# Altium PCB Evaluation Board.PcbDoc (part 15 of 22) (continued)
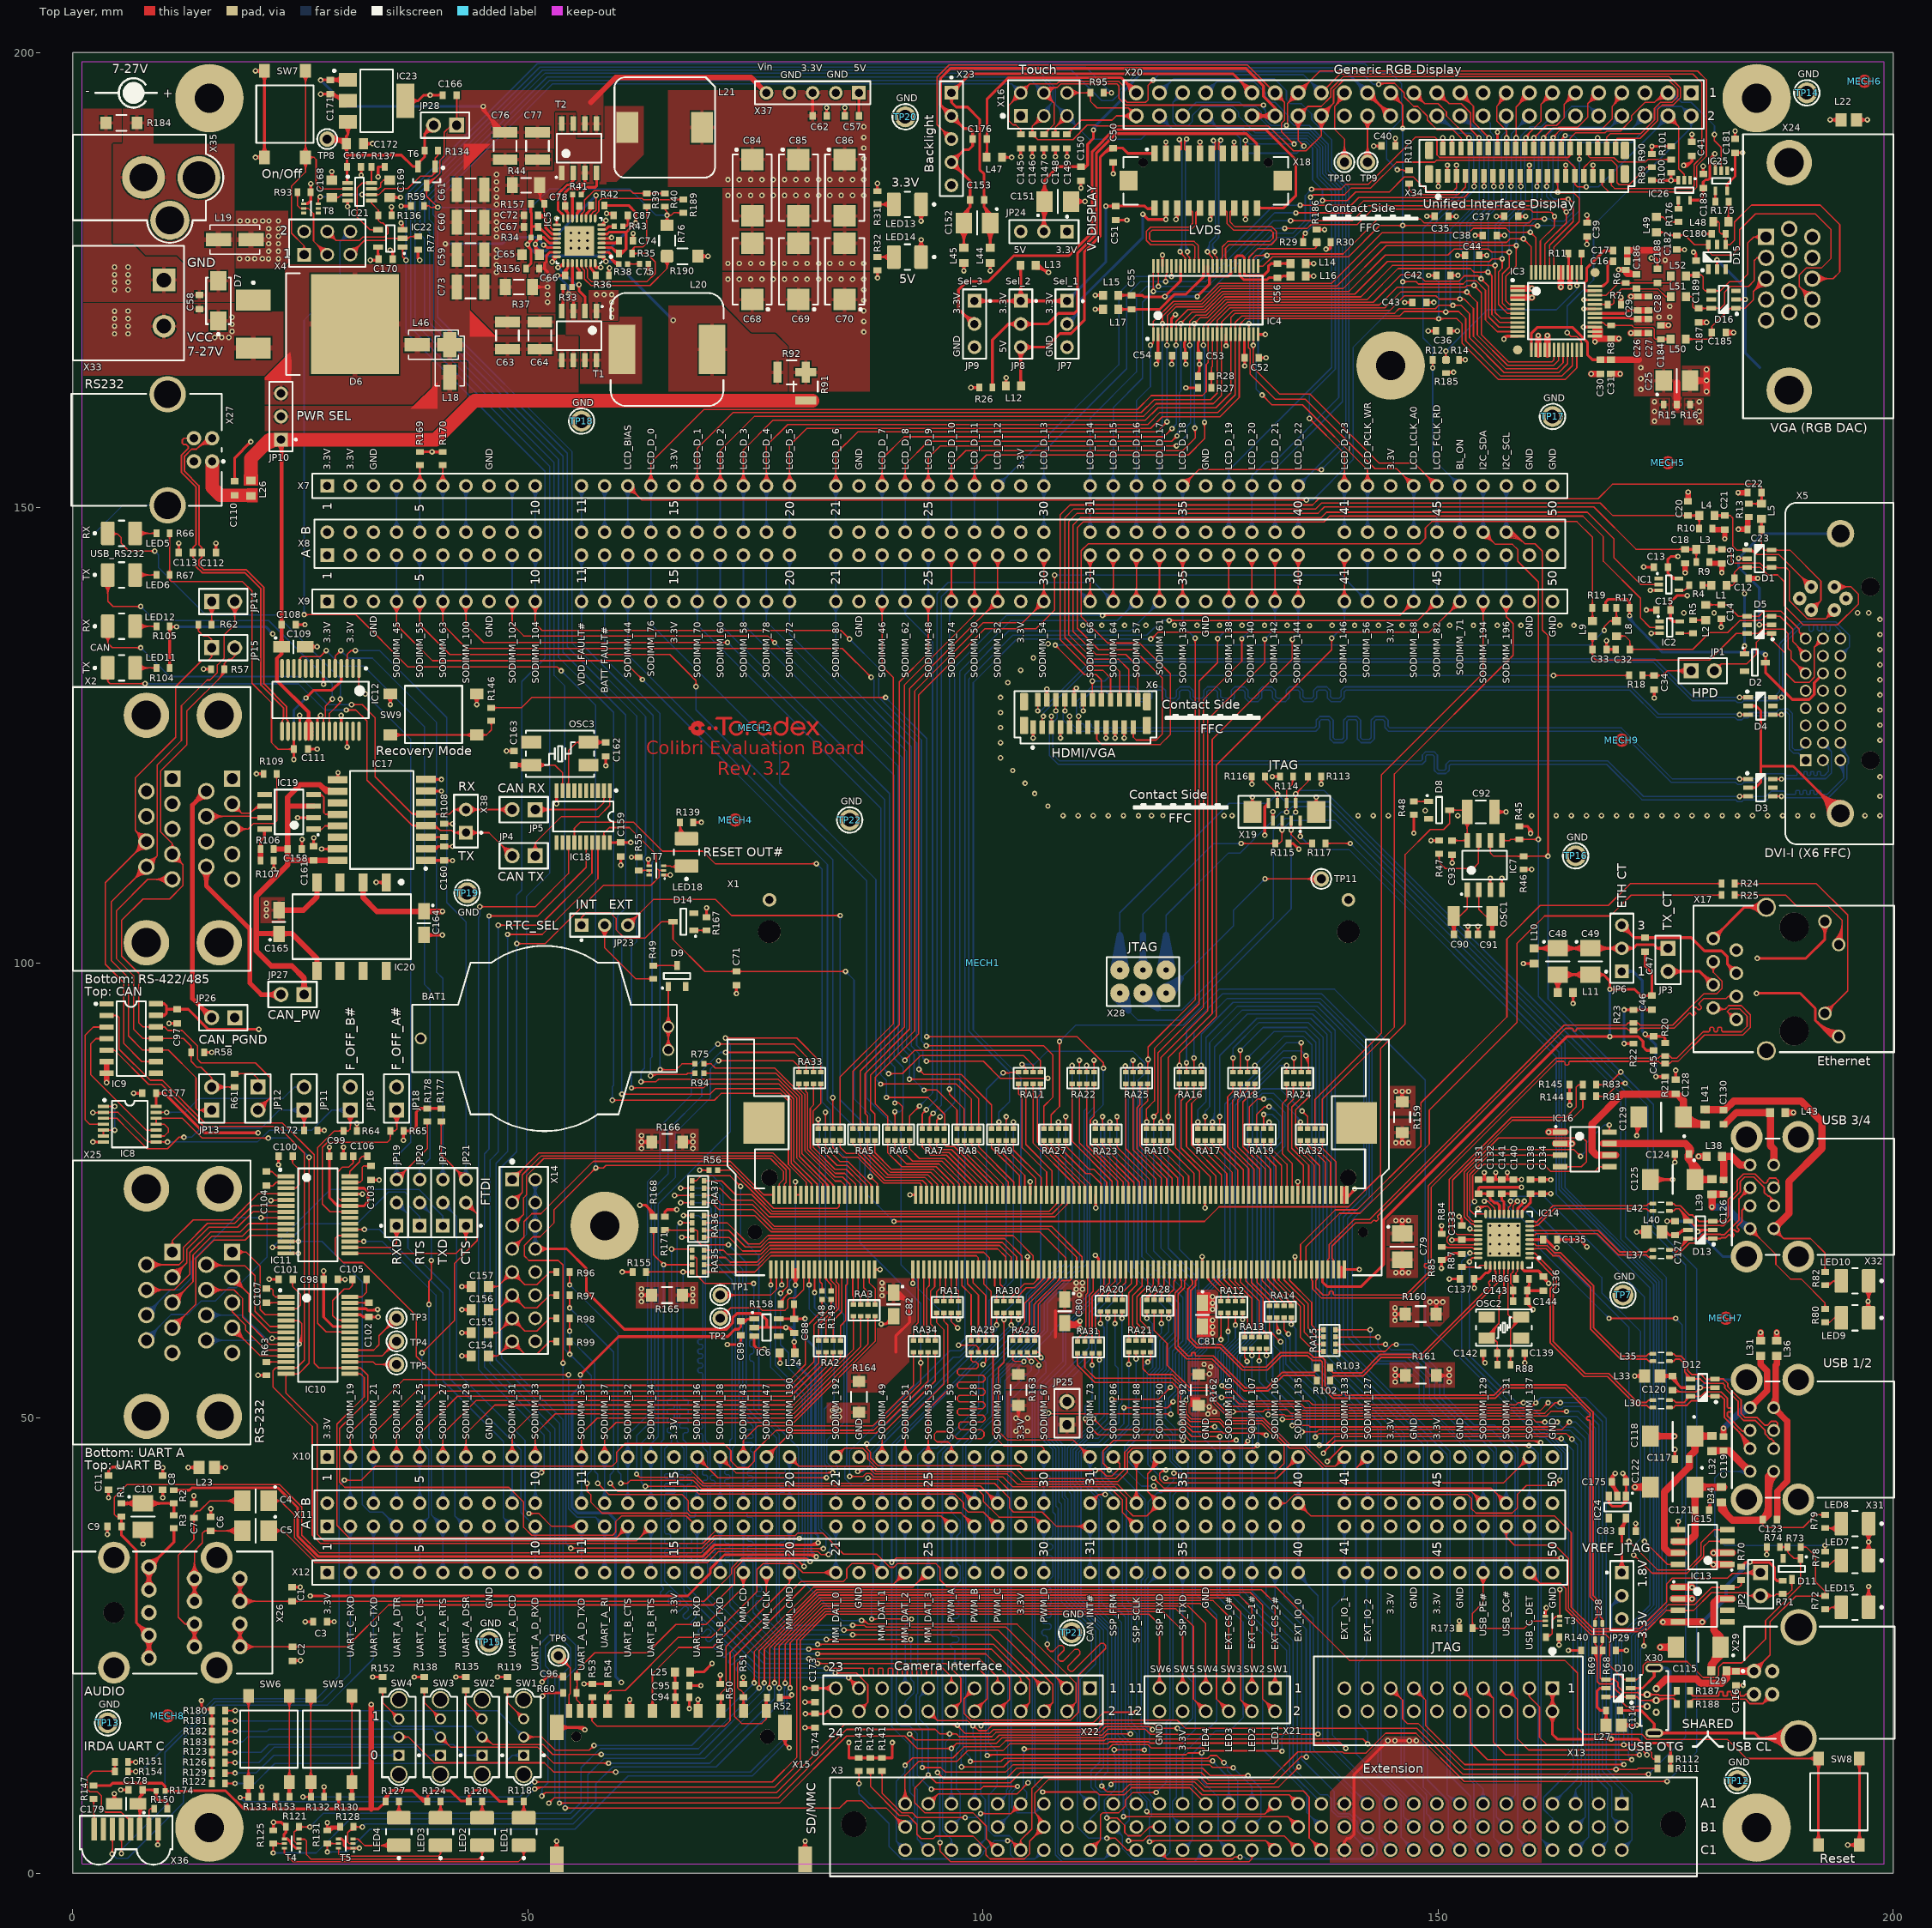
[diagram p0: Top Layer view]
## Nets (pads, with @x,y where several pads share a name; then routed paths per layer and width w, separated by ;. In a path a pad name is that pad's centre, name@x,y a point inside that pad or via, vN(x,y) a via of type N, cw(c..) or ccw(c..) an arc to the next point about the centre after c; other vN are vias at no path point) (continued)
SODIMM_28_S: RA33.1 X1.28 | length 15.7
  Top Layer w0.15: RA33.1@79.632,86.566 cw(c79.334,86.268) 79.756,86.268 cw(c80.178,86.268) RA33.1@79.88,86.566 ; RA33.1@79.756,86.69 79.756,86.213 80.413,85.556 80.413,79.368 83.749,76.032 84.369,76.032 84.782,75.619 X1.28@84.782,74.516 ; X1.28@84.711,75.412 ccw(c84.541,75.583) 84.782,75.583 ccw(c85.023,75.583) X1.28@84.853,75.412
SODIMM_29: RA2.5 X10.7 X11.B7 | length 71.4
  Top Layer w0.15: X10.7@42.703,46.197 ccw(c41.55,47.35) 43.18,47.35 ccw(c44.81,47.35) X10.7@43.657,46.197 ; X10.7@42.809,46.091 ccw(c41.913,46.987) 43.18,46.987 ccw(c44.447,46.987) X10.7@43.551,46.091 ; X10.7@42.915,45.985 ccw(c42.275,46.625) 43.18,46.625 ccw(c44.085,46.625) X10.7@43.445,45.985 ; X10.7@43.18,45.72 43.18,48.26 46.345,51.425 79.175,51.425 84.328,56.578 RA2.5@84.328,57.222 ; RA2.5@84.204,57.098 cw(c83.906,56.799) 84.328,56.799 cw(c84.75,56.799) RA2.5@84.452,57.098
  Bottom Layer w0.15: X11.B7@42.703,41.117 ccw(c41.55,42.27) 43.18,42.27 ccw(c44.81,42.27) X11.B7@43.657,41.117 ; X10.7@42.703,45.243 cw(c41.55,44.09) 43.18,44.09 cw(c44.81,44.09) X10.7@43.657,45.243 ; X11.B7@42.809,41.011 ccw(c41.913,41.907) 43.18,41.907 ccw(c44.447,41.907) X11.B7@43.551,41.011 ; X10.7@42.809,45.349 cw(c41.913,44.453) 43.18,44.453 cw(c44.447,44.453) X10.7@43.551,45.349 ; X11.B7@42.915,40.905 ccw(c42.275,41.545) 43.18,41.545 ccw(c44.085,41.545) X11.B7@43.445,40.905 ; X10.7@42.915,45.455 cw(c42.275,44.815) 43.18,44.815 cw(c44.085,44.815) X10.7@43.445,45.455 ; X11.B7@43.18,40.64 X10.7@43.18,45.72
SODIMM_29_S: RA2.1 X1.29 | length 9.2
  Top Layer w0.15: RA2.1@84.204,58.645 ccw(c83.906,58.944) 84.328,58.944 ccw(c84.75,58.944) RA2.1@84.452,58.645 ; RA2.1@84.328,58.522 84.328,60.122 84.912,60.706 84.912,64.541 85.082,64.711 X1.29@85.082,66.316 ; X1.29@85.011,65.421 cw(c84.841,65.25) 85.082,65.25 cw(c85.323,65.25) X1.29@85.153,65.421
SODIMM_30: RA33.6 X10.28 X11.B28 | length 128.9
  Top Layer w0.15: v1(61.925,43.84) 62.266,43.5 ; v1@61.945,43.616 cw(c61.981,43.215) 62.266,43.5 ; v1@62.149,43.82 ccw(c62.55,43.785) 62.266,43.5 ; v1(71.704,90.17) 79.273,90.17 80.556,88.887 RA33.6@80.556,87.99 ; v1@71.863,90.011 cw(c72.247,89.627) 72.247,90.17 cw(c72.247,90.713) v1@71.863,90.329 ; RA33.6@80.432,88.114 ccw(c80.134,88.413) 80.556,88.413 ccw(c80.978,88.413) RA33.6@80.68,88.114 ; X11.B28@100.925,40.64 ccw(c99.295,40.64) 100.448,41.792 ccw(c101.6,42.945) X11.B28@101.6,41.315 ; X11.B28@101.075,40.64 ccw(c99.808,40.64) 100.704,41.536 ccw(c101.6,42.432) X11.B28@101.6,41.165 ; X11.B28@101.225,40.64 ccw(c100.32,40.64) 100.96,41.28 ccw(c101.6,41.92) X11.B28@101.6,41.015 ; X11.B28@101.6,40.64 99.707,42.533 69.19,42.533 68.223,43.5 62.266,43.5
  Bottom Layer w0.15: v1@61.766,43.999 ccw(c61.358,44.407) 61.935,44.407 ; v1(61.925,43.84) 61.935,43.849 61.935,48.05 63.551,49.666 63.551,74.981 65.405,76.835 65.405,81.661 69.096,85.352 69.096,88.151 71.114,90.17 v1(71.704,90.17) ; 61.935,44.36 ccw(c62.445,44.36) v1@62.084,43.999 ; v1@71.545,90.011 ccw(c71.161,89.627) 71.161,90.17 ccw(c71.161,90.713) v1@71.545,90.329 ; X11.B28@101.123,41.117 ccw(c99.97,42.27) 101.6,42.27 ccw(c103.23,42.27) X11.B28@102.077,41.117 ; X10.28@101.123,45.243 cw(c99.97,44.09) 101.6,44.09 cw(c103.23,44.09) X10.28@102.077,45.243 ; X11.B28@101.229,41.011 ccw(c100.333,41.907) 101.6,41.907 ccw(c102.867,41.907) X11.B28@101.971,41.011 ; X10.28@101.229,45.349 cw(c100.333,44.453) 101.6,44.453 cw(c102.867,44.453) X10.28@101.971,45.349 ; X11.B28@101.335,40.905 ccw(c100.695,41.545) 101.6,41.545 ccw(c102.505,41.545) X11.B28@101.865,40.905 ; X10.28@101.335,45.455 cw(c100.695,44.815) 101.6,44.815 cw(c102.505,44.815) X10.28@101.865,45.455 ; X11.B28@101.6,40.64 X10.28@101.6,45.72
SODIMM_30_S: RA33.2 X1.30 | length 15.7
  Top Layer w0.15: RA33.2@80.432,86.566 cw(c80.176,86.31) 80.539,86.31 ; 80.539,86.226 cw(c81.02,86.226) RA33.2@80.68,86.566 ; RA33.2@80.556,86.69 80.539,86.673 80.539,85.855 80.713,85.68 80.713,79.492 83.73,76.475 84.586,76.475 85.382,75.679 X1.30@85.382,74.516 ; X1.30@85.311,75.412 ccw(c85.141,75.583) 85.382,75.583 ccw(c85.623,75.583) X1.30@85.453,75.412
SODIMM_31: RA3.8 X10.9 X11.B9 | length 71.2
  Top Layer w0.15: X10.9@47.783,46.197 ccw(c46.63,47.35) 48.26,47.35 ccw(c49.89,47.35) X10.9@48.737,46.197 ; X10.9@47.889,46.091 ccw(c46.993,46.987) 48.26,46.987 ccw(c49.527,46.987) X10.9@48.631,46.091 ; X10.9@47.995,45.985 ccw(c47.355,46.625) 48.26,46.625 ccw(c49.165,46.625) X10.9@48.525,45.985 ; X10.9@48.26,45.72 48.26,48.26 50.95,50.95 79.175,50.95 85.738,57.513 RA3.8@85.738,61.184 ; RA3.8@85.614,61.06 cw(c85.316,60.761) 85.738,60.761 cw(c86.16,60.761) RA3.8@85.862,61.06
  Bottom Layer w0.15: X11.B9@47.783,41.117 ccw(c46.63,42.27) 48.26,42.27 ccw(c49.89,42.27) X11.B9@48.737,41.117 ; X10.9@47.783,45.243 cw(c46.63,44.09) 48.26,44.09 cw(c49.89,44.09) X10.9@48.737,45.243 ; X11.B9@47.889,41.011 ccw(c46.993,41.907) 48.26,41.907 ccw(c49.527,41.907) X11.B9@48.631,41.011 ; X10.9@47.889,45.349 cw(c46.993,44.453) 48.26,44.453 cw(c49.527,44.453) X10.9@48.631,45.349 ; X11.B9@47.995,40.905 ccw(c47.355,41.545) 48.26,41.545 ccw(c49.165,41.545) X11.B9@48.525,40.905 ; X10.9@47.995,45.455 cw(c47.355,44.815) 48.26,44.815 cw(c49.165,44.815) X10.9@48.525,45.455 ; X11.B9@48.26,40.64 X10.9@48.26,45.72
SODIMM_31_S: RA3.4 X1.31 | length 4.9
  Top Layer w0.15: X1.31@85.611,65.421 cw(c85.441,65.25) 85.682,65.25 cw(c85.923,65.25) X1.31@85.753,65.421 ; RA3.4@85.614,62.608 ccw(c85.316,62.906) 85.738,62.906 ccw(c86.16,62.906) RA3.4@85.862,62.608 ; X1.31@85.682,66.316 85.682,63.441 85.738,63.385 RA3.4@85.738,62.484
SODIMM_32: RA33.7 X10.13 X11.B13 | length 87.2
  Top Layer w0.15: v1(70.866,91.084) 79.223,91.084 81.356,88.951 RA33.7@81.356,87.99 ; v1@71.025,90.925 cw(c71.409,90.541) 71.409,91.084 cw(c71.409,91.628) v1@71.025,91.243 ; RA33.7@81.232,88.114 ccw(c80.934,88.413) 81.356,88.413 ccw(c81.778,88.413) RA33.7@81.48,88.114
  Bottom Layer w0.15: X11.B13@60.483,41.117 ccw(c59.33,42.27) 60.96,42.27 ccw(c62.59,42.27) X11.B13@61.437,41.117 ; X10.13@60.483,45.243 cw(c59.33,44.09) 60.96,44.09 cw(c62.59,44.09) X10.13@61.437,45.243 ; X10.13@60.483,46.197 ccw(c59.33,47.35) 60.96,47.35 ccw(c62.59,47.35) X10.13@61.437,46.197 ; X11.B13@60.589,41.011 ccw(c59.693,41.907) 60.96,41.907 ccw(c62.227,41.907) X11.B13@61.331,41.011 ; X10.13@60.589,45.349 cw(c59.693,44.453) 60.96,44.453 cw(c62.227,44.453) X10.13@61.331,45.349 ; X10.13@60.589,46.091 ccw(c59.693,46.987) 60.96,46.987 ccw(c62.227,46.987) X10.13@61.331,46.091 ; X11.B13@60.695,40.905 ccw(c60.055,41.545) 60.96,41.545 ccw(c61.865,41.545) X11.B13@61.225,40.905 ; X10.13@60.695,45.455 cw(c60.055,44.815) 60.96,44.815 cw(c61.865,44.815) X10.13@61.225,45.455 ; X10.13@60.695,45.985 ccw(c60.055,46.625) 60.96,46.625 ccw(c61.865,46.625) X10.13@61.225,45.985 ; X11.B13@60.96,40.64 X10.13@60.96,45.72 60.96,48.135 63.144,50.319 63.144,75.971 64.516,77.343 64.516,82.042 67.92,85.446 67.92,88.138 v1(70.866,91.084) ; v1@70.641,91.084 cw(c70.098,91.084) 70.482,90.7 cw(c70.866,90.316) v1@70.866,90.859
SODIMM_32_S: RA33.3 X1.32 | length 16
  Top Layer w0.15: RA33.3@81.232,86.566 cw(c80.934,86.268) 81.356,86.268 cw(c81.778,86.268) RA33.3@81.48,86.566 ; RA33.3@81.356,86.69 81.356,84.379 81.013,84.036 81.013,79.617 83.755,76.875 84.796,76.875 85.982,75.689 X1.32@85.982,74.516 ; X1.32@85.911,75.412 ccw(c85.741,75.583) 85.982,75.583 ccw(c86.223,75.583) X1.32@86.053,75.412
SODIMM_33: RA3.7 X10.10 X11.B10 | length 69.3
  Top Layer w0.15: X10.10@50.323,46.197 ccw(c49.17,47.35) 50.8,47.35 ccw(c52.43,47.35) X10.10@51.277,46.197 ; X10.10@50.429,46.091 ccw(c49.533,46.987) 50.8,46.987 ccw(c52.067,46.987) X10.10@51.171,46.091 ; X10.10@50.535,45.985 ccw(c49.895,46.625) 50.8,46.625 ccw(c51.705,46.625) X10.10@51.065,45.985 ; X10.10@50.8,45.72 50.8,48.26 52.99,50.45 79.175,50.45 86.538,57.813 RA3.7@86.538,61.184 ; RA3.7@86.414,61.06 cw(c86.116,60.761) 86.538,60.761 cw(c86.96,60.761) RA3.7@86.662,61.06
  Bottom Layer w0.15: X11.B10@50.323,41.117 ccw(c49.17,42.27) 50.8,42.27 ccw(c52.43,42.27) X11.B10@51.277,41.117 ; X10.10@50.323,45.243 cw(c49.17,44.09) 50.8,44.09 cw(c52.43,44.09) X10.10@51.277,45.243 ; X11.B10@50.429,41.011 ccw(c49.533,41.907) 50.8,41.907 ccw(c52.067,41.907) X11.B10@51.171,41.011 ; X10.10@50.429,45.349 cw(c49.533,44.453) 50.8,44.453 cw(c52.067,44.453) X10.10@51.171,45.349 ; X11.B10@50.535,40.905 ccw(c49.895,41.545) 50.8,41.545 ccw(c51.705,41.545) X11.B10@51.065,40.905 ; X10.10@50.535,45.455 cw(c49.895,44.815) 50.8,44.815 cw(c51.705,44.815) X10.10@51.065,45.455 ; X11.B10@50.8,40.64 X10.10@50.8,45.72
SODIMM_33_S: RA3.3 X1.33 | length 5
  Top Layer w0.15: X1.33@86.211,65.421 cw(c86.041,65.25) 86.282,65.25 cw(c86.523,65.25) X1.33@86.353,65.421 ; X1.33@86.282,66.316 86.282,63.73 86.512,63.5 86.512,62.51 RA3.3@86.538,62.484 ; RA3.3@86.364,62.608 ccw(c86.007,62.965) 86.512,62.965 ; 86.512,62.848 ccw(c86.852,62.848) RA3.3@86.612,62.608
SODIMM_34: RA33.8 X10.14 X11.B14 | length 87.1
  Top Layer w0.15: v1(71.679,91.745) 79.527,91.745 82.156,89.116 RA33.8@82.156,87.99 ; v1@71.838,91.586 cw(c72.222,91.202) 72.222,91.745 cw(c72.222,92.288) v1@71.838,91.904 ; RA33.8@82.032,88.114 ccw(c81.734,88.413) 82.156,88.413 ccw(c82.578,88.413) RA33.8@82.28,88.114
  Bottom Layer w0.15: X11.B14@63.023,41.117 ccw(c61.87,42.27) 63.5,42.27 ccw(c65.13,42.27) X11.B14@63.977,41.117 ; X10.14@63.023,45.243 cw(c61.87,44.09) 63.5,44.09 cw(c65.13,44.09) X10.14@63.977,45.243 ; X10.14@63.07,46.241 ccw(c62.318,47.152) 63.5,47.152 ; X11.B14@63.129,41.011 ccw(c62.233,41.907) 63.5,41.907 ccw(c64.767,41.907) X11.B14@63.871,41.011 ; X10.14@63.129,45.349 cw(c62.233,44.453) 63.5,44.453 cw(c64.767,44.453) X10.14@63.871,45.349 ; X10.14@63.166,46.125 ccw(c62.581,46.834) 63.5,46.834 ccw(c64.419,46.834) X10.14@63.834,46.125 ; X11.B14@63.235,40.905 ccw(c62.595,41.545) 63.5,41.545 ccw(c64.405,41.545) X11.B14@63.765,40.905 ; X10.14@63.235,45.455 cw(c62.595,44.815) 63.5,44.815 cw(c64.405,44.815) X10.14@63.765,45.455 ; X10.14@63.261,46.009 ccw(c62.843,46.516) 63.5,46.516 ccw(c64.157,46.516) X10.14@63.739,46.009 ; X11.B14@63.5,40.64 X10.14@63.5,45.72 63.5,47.152 ; X10.14@63.93,46.241 cw(c64.682,47.152) 63.5,47.152 ; v1@71.679,91.52 cw(c71.679,91.161) 71.933,91.415 ; v1(71.679,91.745) 71.679,91.669 72.229,91.118 72.229,81.447 64.313,73.53 64.313,47.965 63.5,47.152 ; v1@71.754,91.745 ccw(c72.119,91.745) 71.861,91.487 ; v1@71.904,91.745 ccw(c72.631,91.745) 72.117,91.231
SODIMM_34_S: RA33.4 X1.34 | length 16.5
  Top Layer w0.15: RA33.4@82.032,86.566 cw(c81.734,86.268) 82.156,86.268 cw(c82.578,86.268) RA33.4@82.28,86.566 ; RA33.4@82.156,86.69 82.156,84.544 81.313,83.701 81.313,79.748 83.736,77.325 84.956,77.325 86.582,75.699 X1.34@86.582,74.516 ; X1.34@86.511,75.412 ccw(c86.341,75.583) 86.582,75.583 ccw(c86.823,75.583) X1.34@86.653,75.412
SODIMM_35: RA3.6 X10.11 X11.B11 | length 64.8
  Top Layer w0.15: X10.11@55.403,46.197 ccw(c54.25,47.35) 55.88,47.35 ccw(c57.51,47.35) X10.11@56.357,46.197 ; X10.11@55.509,46.091 ccw(c54.613,46.987) 55.88,46.987 ccw(c57.147,46.987) X10.11@56.251,46.091 ; X10.11@55.615,45.985 ccw(c54.975,46.625) 55.88,46.625 ccw(c56.785,46.625) X10.11@56.145,45.985 ; X10.11@55.88,45.72 55.88,48.26 57.62,50 79.25,50 87.338,58.088 RA3.6@87.338,61.184 ; RA3.6@87.214,61.06 cw(c86.916,60.761) 87.338,60.761 cw(c87.76,60.761) RA3.6@87.462,61.06
  Bottom Layer w0.15: X11.B11@55.403,41.117 ccw(c54.25,42.27) 55.88,42.27 ccw(c57.51,42.27) X11.B11@56.357,41.117 ; X10.11@55.403,45.243 cw(c54.25,44.09) 55.88,44.09 cw(c57.51,44.09) X10.11@56.357,45.243 ; X11.B11@55.509,41.011 ccw(c54.613,41.907) 55.88,41.907 ccw(c57.147,41.907) X11.B11@56.251,41.011 ; X10.11@55.509,45.349 cw(c54.613,44.453) 55.88,44.453 cw(c57.147,44.453) X10.11@56.251,45.349 ; X11.B11@55.615,40.905 ccw(c54.975,41.545) 55.88,41.545 ccw(c56.785,41.545) X11.B11@56.145,40.905 ; X10.11@55.615,45.455 cw(c54.975,44.815) 55.88,44.815 cw(c56.785,44.815) X10.11@56.145,45.455 ; X11.B11@55.88,40.64 X10.11@55.88,45.72
SODIMM_35_S: RA3.2 X1.35 | length 5.1
  Top Layer w0.15: X1.35@86.811,65.421 cw(c86.641,65.25) 86.882,65.25 cw(c87.123,65.25) X1.35@86.953,65.421 ; X1.35@86.882,66.316 86.882,64.324 87.338,63.868 RA3.2@87.338,62.484 ; RA3.2@87.214,62.608 ccw(c86.916,62.906) 87.338,62.906 ccw(c87.76,62.906) RA3.2@87.462,62.608
SODIMM_36: RA4.5 X10.16 X11.B16 | length 84.6
  Top Layer w0.15: X10.16@68.58,45.045 cw(c68.58,43.415) 69.732,44.568 cw(c70.885,45.72) X10.16@69.255,45.72 ; X10.16@68.58,45.195 cw(c68.58,43.928) 69.476,44.824 cw(c70.372,45.72) X10.16@69.105,45.72 ; X10.16@68.58,45.345 cw(c68.58,44.44) 69.22,45.08 cw(c69.86,45.72) X10.16@68.955,45.72 ; X10.16@68.58,45.72 70.85,43.45 v1(82.8,43.45) ; v1@81.731,82.645 cw(c81.346,82.261) 81.89,82.261 cw(c82.433,82.261) v1@82.049,82.645 ; RA4.5@81.766,81.916 ccw(c81.468,82.214) 81.89,82.214 ; RA4.5@81.788,81.793 81.89,81.894 v1(81.89,82.804) ; 81.89,82.216 ccw(c82.313,82.216) RA4.5@82.014,81.916 ; v1@82.641,43.291 ccw(c82.257,42.907) 82.257,43.45 ccw(c82.257,43.993) v1@82.641,43.609
  Bottom Layer w0.15: X11.B16@68.103,41.117 ccw(c66.95,42.27) 68.58,42.27 ccw(c70.21,42.27) X11.B16@69.057,41.117 ; X10.16@68.103,45.243 cw(c66.95,44.09) 68.58,44.09 cw(c70.21,44.09) X10.16@69.057,45.243 ; X11.B16@68.209,41.011 ccw(c67.313,41.907) 68.58,41.907 ccw(c69.847,41.907) X11.B16@68.951,41.011 ; X10.16@68.209,45.349 cw(c67.313,44.453) 68.58,44.453 cw(c69.847,44.453) X10.16@68.951,45.349 ; X11.B16@68.315,40.905 ccw(c67.675,41.545) 68.58,41.545 ccw(c69.485,41.545) X11.B16@68.845,40.905 ; X10.16@68.315,45.455 cw(c67.675,44.815) 68.58,44.815 cw(c69.485,44.815) X10.16@68.845,45.455 ; X11.B16@68.58,40.64 X10.16@68.58,45.72 X10.16@68.825,45.965 ; v1@81.731,82.645 cw(c81.053,81.968) 82.011,81.968 ; v1@81.837,82.751 cw(c81.415,82.33) 82.011,82.33 ; v1(81.89,82.804) 82.011,82.683 82.011,63.239 83.65,61.6 83.65,52.075 82.545,50.97 82.545,44.956 82.8,44.701 v1(82.8,43.45) ; v1@82.641,43.609 ccw(c82.257,43.993) 82.8,43.993 ccw(c83.343,43.993) v1@82.959,43.609
SODIMM_36_S: RA4.1 X1.36 | length 9.9
  Top Layer w0.15: RA4.1@81.716,80.369 cw(c81.359,80.012) 81.864,80.012 ; RA4.1@81.788,80.493 81.864,80.416 81.864,79.861 83.969,77.756 85.058,77.756 87.182,75.632 X1.36@87.182,74.516 ; 81.864,80.129 cw(c82.204,80.129) RA4.1@81.964,80.369 ; X1.36@87.111,75.412 ccw(c86.941,75.583) 87.182,75.583 ccw(c87.423,75.583) X1.36@87.253,75.412
SODIMM_37: RA3.5 X10.12 X11.B12 | length 62.9
  Top Layer w0.15: X10.12@57.943,46.197 ccw(c56.79,47.35) 58.42,47.35 ccw(c60.05,47.35) X10.12@58.897,46.197 ; X10.12@58.049,46.091 ccw(c57.153,46.987) 58.42,46.987 ccw(c59.687,46.987) X10.12@58.791,46.091 ; X10.12@58.155,45.985 ccw(c57.515,46.625) 58.42,46.625 ccw(c59.325,46.625) X10.12@58.685,45.985 ; X10.12@58.42,45.72 58.42,48.26 59.685,49.525 79.225,49.525 88.138,58.438 RA3.5@88.138,61.184 ; RA3.5@88.014,61.06 cw(c87.716,60.761) 88.138,60.761 cw(c88.56,60.761) RA3.5@88.262,61.06
  Bottom Layer w0.15: X11.B12@57.943,41.117 ccw(c56.79,42.27) 58.42,42.27 ccw(c60.05,42.27) X11.B12@58.897,41.117 ; X10.12@57.943,45.243 cw(c56.79,44.09) 58.42,44.09 cw(c60.05,44.09) X10.12@58.897,45.243 ; X11.B12@58.049,41.011 ccw(c57.153,41.907) 58.42,41.907 ccw(c59.687,41.907) X11.B12@58.791,41.011 ; X10.12@58.049,45.349 cw(c57.153,44.453) 58.42,44.453 cw(c59.687,44.453) X10.12@58.791,45.349 ; X11.B12@58.155,40.905 ccw(c57.515,41.545) 58.42,41.545 ccw(c59.325,41.545) X11.B12@58.685,40.905 ; X10.12@58.155,45.455 cw(c57.515,44.815) 58.42,44.815 cw(c59.325,44.815) X10.12@58.685,45.455 ; X11.B12@58.42,40.64 X10.12@58.42,45.72
SODIMM_37_S: RA3.1 X1.37 | length 5.1
  Top Layer w0.15: X1.37@87.411,65.421 cw(c87.241,65.25) 87.482,65.25 cw(c87.723,65.25) X1.37@87.553,65.421 ; X1.37@87.482,66.316 87.482,64.867 88.138,64.211 RA3.1@88.138,62.484 ; RA3.1@88.014,62.608 ccw(c87.716,62.906) 88.138,62.906 ccw(c88.56,62.906) RA3.1@88.262,62.608
SODIMM_38: RA4.6 X10.17 X11.B17 | length 83.3
  Top Layer w0.15: X10.17@71.12,45.045 cw(c71.12,43.415) 72.272,44.568 cw(c73.425,45.72) X10.17@71.795,45.72 ; X10.17@71.12,45.195 cw(c71.12,43.928) 72.016,44.824 cw(c72.912,45.72) X10.17@71.645,45.72 ; X10.17@71.12,45.345 cw(c71.12,44.44) 71.76,45.08 cw(c72.4,45.72) X10.17@71.495,45.72 ; X10.17@71.12,45.72 72.865,43.975 83.475,43.975 v1(83.475,44) ; v1@82.518,83.432 cw(c82.134,83.048) 82.677,83.048 cw(c83.22,83.048) v1@82.836,83.432 ; RA4.6@82.566,81.916 ccw(c82.299,82.184) 82.677,82.184 ; RA4.6@82.575,81.793 82.677,81.894 v1(82.677,83.591) ; 82.677,82.246 ccw(c83.144,82.246) RA4.6@82.814,81.916 ; 82.871,43.975 ccw(c82.871,44.604) v1@83.316,44.159 ; 82.992,43.975 cw(c82.992,43.517) v1@83.316,43.841
  Bottom Layer w0.15: X11.B17@70.643,41.117 ccw(c69.49,42.27) 71.12,42.27 ccw(c72.75,42.27) X11.B17@71.597,41.117 ; X10.17@70.643,45.243 cw(c69.49,44.09) 71.12,44.09 cw(c72.75,44.09) X10.17@71.597,45.243 ; X11.B17@70.749,41.011 ccw(c69.853,41.907) 71.12,41.907 ccw(c72.387,41.907) X11.B17@71.491,41.011 ; X10.17@70.749,45.349 cw(c69.853,44.453) 71.12,44.453 cw(c72.387,44.453) X10.17@71.491,45.349 ; X11.B17@70.855,40.905 ccw(c70.215,41.545) 71.12,41.545 ccw(c72.025,41.545) X11.B17@71.385,40.905 ; X10.17@70.855,45.455 cw(c70.215,44.815) 71.12,44.815 cw(c72.025,44.815) X10.17@71.385,45.455 ; X11.B17@71.12,40.64 X10.17@71.12,45.72 ; v1@82.518,83.432 cw(c82.134,83.048) 82.677,83.048 cw(c83.22,83.048) v1@82.836,83.432 ; v1(82.677,83.591) 82.677,63.398 84.725,61.35 84.725,49.5 82.845,47.62 82.845,45.08 83.475,44.45 ; v1@83.34,44.18 ccw(c83.138,44.45) 83.475,44.45 ; v1(83.475,44) 83.475,44.45 ; v1@83.61,44.18 cw(c83.812,44.45) 83.475,44.45
SODIMM_38_S: RA4.2 X1.38 | length 10.6
  Top Layer w0.15: RA4.2@82.566,80.369 cw(c82.238,80.04) 82.702,80.04 ; RA4.2@82.588,80.493 82.702,80.378 82.702,79.748 84.275,78.175 85.172,78.175 87.782,75.565 ; 82.702,80.1 cw(c83.083,80.1) RA4.2@82.814,80.369 ; 87.453,75.894 cw(c86.9,75.342) X1.38@87.682,75.342 ; 87.709,75.638 cw(c87.412,75.342) X1.38@87.832,75.342 ; X1.38@87.715,75.416 ccw(c87.581,75.565) 87.782,75.565 ; X1.38@87.782,74.516 87.782,75.565 ; X1.38@87.849,75.416 cw(c87.983,75.565) 87.782,75.565
SODIMM_43: RA34.8 X10.18 X11.B18 | length 50.3
  Top Layer w0.15: X10.18@73.183,46.197 ccw(c72.03,47.35) 73.66,47.35 ccw(c75.29,47.35) X10.18@74.137,46.197 ; X10.18@73.289,46.091 ccw(c72.393,46.987) 73.66,46.987 ccw(c74.927,46.987) X10.18@74.031,46.091 ; X10.18@73.395,45.985 ccw(c72.755,46.625) 73.66,46.625 ccw(c74.565,46.625) X10.18@73.925,45.985 ; X10.18@73.66,45.72 73.66,47.535 75.25,49.125 87.875,49.125 92.342,53.592 92.342,56.303 RA34.8@92.342,57.222 ; RA34.8@92.218,57.098 cw(c91.92,56.799) 92.342,56.799 cw(c92.764,56.799) RA34.8@92.466,57.098
  Bottom Layer w0.15: X11.B18@73.183,41.117 ccw(c72.03,42.27) 73.66,42.27 ccw(c75.29,42.27) X11.B18@74.137,41.117 ; X10.18@73.183,45.243 cw(c72.03,44.09) 73.66,44.09 cw(c75.29,44.09) X10.18@74.137,45.243 ; X11.B18@73.289,41.011 ccw(c72.393,41.907) 73.66,41.907 ccw(c74.927,41.907) X11.B18@74.031,41.011 ; X10.18@73.289,45.349 cw(c72.393,44.453) 73.66,44.453 cw(c74.927,44.453) X10.18@74.031,45.349 ; X11.B18@73.395,40.905 ccw(c72.755,41.545) 73.66,41.545 ccw(c74.565,41.545) X11.B18@73.925,40.905 ; X10.18@73.395,45.455 cw(c72.755,44.815) 73.66,44.815 cw(c74.565,44.815) X10.18@73.925,45.455 ; X11.B18@73.66,40.64 X10.18@73.66,45.72
SODIMM_43_S: RA34.4 X1.43 | length 9.1
  Top Layer w0.15: RA34.4@92.218,58.645 ccw(c91.92,58.944) 92.342,58.944 ccw(c92.764,58.944) RA34.4@92.466,58.645 ; RA34.4@92.342,58.522 92.342,59.957 92.882,60.497 X1.43@92.882,66.316 ; X1.43@92.811,65.421 cw(c92.641,65.25) 92.882,65.25 cw(c93.123,65.25) X1.43@92.953,65.421
SODIMM_44: RA4.7 X8.A13 X9.13 | length 92.6
  Top Layer w0.15: v1@83.331,85.041 cw(c82.947,84.657) 83.49,84.657 cw(c84.033,84.657) v1@83.649,85.041 ; RA4.7@83.366,81.916 ccw(c83.068,82.215) 83.49,82.215 ccw(c83.912,82.215) RA4.7@83.614,81.916 ; RA4.7@83.49,81.793 v1(83.49,85.2)
  Bottom Layer w0.15: X9.13@60.483,139.223 cw(c59.33,138.07) 60.96,138.07 cw(c62.59,138.07) X9.13@61.437,139.223 ; X9.13@60.483,140.177 ccw(c59.33,141.33) 60.96,141.33 ccw(c62.59,141.33) X9.13@61.437,140.177 ; X8.A13@60.483,144.303 cw(c59.33,143.15) 60.96,143.15 cw(c62.59,143.15) X8.A13@61.437,144.303 ; X9.13@60.589,139.329 cw(c59.693,138.433) 60.96,138.433 cw(c62.227,138.433) X9.13@61.331,139.329 ; X9.13@60.589,140.071 ccw(c59.693,140.967) 60.96,140.967 ccw(c62.227,140.967) X9.13@61.331,140.071 ; X8.A13@60.589,144.409 cw(c59.693,143.513) 60.96,143.513 cw(c62.227,143.513) X8.A13@61.331,144.409 ; X9.13@60.695,139.435 cw(c60.055,138.795) 60.96,138.795 cw(c61.865,138.795) X9.13@61.225,139.435 ; X9.13@60.695,139.965 ccw(c60.055,140.605) 60.96,140.605 ccw(c61.865,140.605) X9.13@61.225,139.965 ; X8.A13@60.695,144.515 cw(c60.055,143.875) 60.96,143.875 cw(c61.865,143.875) X8.A13@61.225,144.515 ; X8.A13@60.96,144.78 X9.13@60.96,139.7 60.96,133.865 83.49,111.335 v1(83.49,85.2) ; v1@83.331,85.359 ccw(c82.947,85.743) 83.49,85.743 ccw(c84.033,85.743) v1@83.649,85.359
SODIMM_44_S: RA4.3 X1.44 | length 14.4
  Top Layer w0.15: RA4.3@83.366,80.369 cw(c83.068,80.071) 83.49,80.071 ; RA4.3@83.388,80.493 83.49,80.391 83.49,79.735 84.6,78.625 86.252,78.625 89.066,75.811 93.048,75.811 93.182,75.677 X1.44@93.182,74.516 ; 83.49,80.07 cw(c83.913,80.07) RA4.3@83.614,80.369 ; X1.44@93.111,75.412 ccw(c92.941,75.583) 93.182,75.583 ccw(c93.423,75.583) X1.44@93.253,75.412
SODIMM_45: R154.2 RA34.7 X8.A4 X9.4 | length 276.1
  Top Layer w0.15: R154.2@6.059,11.193 6.102,11.15 v1(6.9,11.15) ; R154.2@6.13,11.264 ccw(c6.404,11.538) 6.404,11.15 ; R154.2@6.236,11.016 cw(c6.559,10.693) 6.559,11.15 ; R154.2@6.236,11.37 ccw(c6.766,11.9) v1@6.766,11.15 ; v1(29.825,43.175) 31.7,43.175 33.25,44.725 59.275,44.725 59.75,45.2 59.75,46.275 60.675,47.2 71.5,47.2 72.3,46.4 72.3,45.275 73,44.575 74.2,44.575 74.875,45.25 74.875,46.275 77.25,48.65 87.975,48.65 93.15,53.825 v1(93.15,56.075) 93.142,56.083 RA34.7@93.142,57.222 ; v1@29.984,43.016 cw(c30.368,42.632) 30.368,43.175 cw(c30.368,43.718) v1@29.984,43.334 ; X9.4@35.083,139.223 cw(c33.93,138.07) 35.56,138.07 cw(c37.19,138.07) X9.4@36.037,139.223 ; X9.4@35.189,139.329 cw(c34.293,138.433) 35.56,138.433 cw(c36.827,138.433) X9.4@35.931,139.329 ; X9.4@35.295,139.435 cw(c34.655,138.795) 35.56,138.795 cw(c36.465,138.795) X9.4@35.825,139.435 ; X9.4@35.56,139.7 35.56,137.14 39.5,133.2 60.5,133.2 v1(62.575,131.125) ; v1@62.35,131.125 ccw(c61.807,131.125) 62.191,131.509 ccw(c62.575,131.893) v1@62.575,131.35 ; v1@92.991,55.916 cw(c92.607,55.532) 93.15,55.532 cw(c93.693,55.532) v1@93.309,55.916 ; v1@92.991,56.234 ccw(c92.626,56.599) 93.142,56.599 ; RA34.7@93.018,57.098 cw(c92.72,56.799) 93.142,56.799 cw(c93.564,56.799) RA34.7@93.266,57.098 ; 93.142,56.638 ccw(c93.713,56.638) v1@93.309,56.234
  Bottom Layer w0.15: v1(6.9,11.15) 6.925,11.15 7.45,11.15 15.45,19.15 26.75,19.15 29.225,21.625 29.225,42.575 v1(29.825,43.175) ; v1@7.059,10.991 cw(c7.443,10.607) 7.443,11.15 cw(c7.443,11.693) v1@7.059,11.309 ; v1@29.6,43.175 cw(c29.057,43.175) 29.441,42.791 cw(c29.825,42.407) v1@29.825,42.95 ; X9.4@35.083,140.177 ccw(c33.93,141.33) 35.56,141.33 ccw(c37.19,141.33) X9.4@36.037,140.177 ; X8.A4@35.083,144.303 cw(c33.93,143.15) 35.56,143.15 cw(c37.19,143.15) X8.A4@36.037,144.303 ; X9.4@35.189,140.071 ccw(c34.293,140.967) 35.56,140.967 ccw(c36.827,140.967) X9.4@35.931,140.071 ; X8.A4@35.189,144.409 cw(c34.293,143.513) 35.56,143.513 cw(c36.827,143.513) X8.A4@35.931,144.409 ; X9.4@35.295,139.965 ccw(c34.655,140.605) 35.56,140.605 ccw(c36.465,140.605) X9.4@35.825,139.965 ; X8.A4@35.295,144.515 cw(c34.655,143.875) 35.56,143.875 cw(c36.465,143.875) X8.A4@35.825,144.515 ; X9.4@35.56,139.7 X8.A4@35.56,144.78 ; v1@62.575,130.9 cw(c62.575,130.357) 62.959,130.741 cw(c63.343,131.125) v1@62.8,131.125 ; v1@62.575,131.175 62.6,131.15 62.6,131.1 82.9,110.8 82.9,84.9 86.45,81.35 86.45,69.275 93.15,62.575 v1(93.15,56.075) ; v1@92.991,56.234 ccw(c92.607,56.618) 93.15,56.618 ccw(c93.693,56.618) v1@93.309,56.234
SODIMM_45_S: RA34.3 X1.45 | length 9
  Top Layer w0.15: RA34.3@93.018,58.645 ccw(c92.72,58.944) 93.142,58.944 ; RA34.3@93.142,58.522 93.142,59.817 93.482,60.157 X1.45@93.482,66.316 ; 93.142,58.945 ccw(c93.565,58.945) RA34.3@93.266,58.645 ; X1.45@93.411,65.421 cw(c93.241,65.25) 93.482,65.25 cw(c93.723,65.25) X1.45@93.553,65.421
SODIMM_46: RA4.8 X8.A23 X9.23 | length 84.6
  Top Layer w0.15: RA4.8@84.166,81.916 ccw(c83.898,82.184) 84.277,82.184 ; RA4.8@84.201,81.793 84.277,81.869 84.277,87.452 90.15,93.325 90.15,131.325 88.9,132.575 X9.23@88.9,139.7 ; 84.277,82.246 ccw(c84.743,82.246) RA4.8@84.414,81.916 ; X9.23@88.423,139.223 cw(c87.27,138.07) 88.9,138.07 cw(c90.53,138.07) X9.23@89.377,139.223 ; X9.23@88.529,139.329 cw(c87.633,138.433) 88.9,138.433 cw(c90.167,138.433) X9.23@89.271,139.329 ; X9.23@88.635,139.435 cw(c87.995,138.795) 88.9,138.795 cw(c89.805,138.795) X9.23@89.165,139.435
  Bottom Layer w0.15: X9.23@88.423,140.177 ccw(c87.27,141.33) 88.9,141.33 ccw(c90.53,141.33) X9.23@89.377,140.177 ; X8.A23@88.423,144.303 cw(c87.27,143.15) 88.9,143.15 cw(c90.53,143.15) X8.A23@89.377,144.303 ; X9.23@88.529,140.071 ccw(c87.633,140.967) 88.9,140.967 ccw(c90.167,140.967) X9.23@89.271,140.071 ; X8.A23@88.529,144.409 cw(c87.633,143.513) 88.9,143.513 cw(c90.167,143.513) X8.A23@89.271,144.409 ; X9.23@88.635,139.965 ccw(c87.995,140.605) 88.9,140.605 ccw(c89.805,140.605) X9.23@89.165,139.965 ; X8.A23@88.635,144.515 cw(c87.995,143.875) 88.9,143.875 cw(c89.805,143.875) X8.A23@89.165,144.515 ; X9.23@88.9,139.7 X8.A23@88.9,144.78
SODIMM_46_S: RA4.4 X1.46 | length 14.2
  Top Layer w0.15: RA4.4@84.166,80.369 cw(c83.898,80.101) 84.277,80.101 ; RA4.4@84.188,80.493 84.277,80.403 84.277,79.773 84.975,79.075 86.227,79.075 89.19,76.111 93.332,76.111 93.777,75.667 93.777,74.522 X1.46@93.782,74.516 ; 84.277,80.039 cw(c84.743,80.039) RA4.4@84.414,80.369 ; X1.46@93.711,75.412 ccw(c93.553,75.57) 93.777,75.57 ; 93.777,75.595 ccw(c94.036,75.595) X1.46@93.853,75.412
SODIMM_47: RA34.6 X10.19 X11.B19 | length 48
  Top Layer w0.15: X10.19@76.2,45.72 78.83,48.35 88.25,48.35 93.942,54.042 RA34.6@93.942,57.222 ; X10.19@76.2,46.095 ccw(c76.2,47) 76.84,46.36 ccw(c77.48,45.72) X10.19@76.575,45.72 ; X10.19@76.2,46.245 ccw(c76.2,47.512) 77.096,46.616 ccw(c77.992,45.72) X10.19@76.725,45.72 ; X10.19@76.2,46.395 ccw(c76.2,48.025) 77.352,46.872 ccw(c78.505,45.72) X10.19@76.875,45.72 ; RA34.6@93.818,57.098 cw(c93.52,56.799) 93.942,56.799 cw(c94.364,56.799) RA34.6@94.066,57.098
  Bottom Layer w0.15: X11.B19@75.723,41.117 ccw(c74.57,42.27) 76.2,42.27 ccw(c77.83,42.27) X11.B19@76.677,41.117 ; X10.19@75.723,45.243 cw(c74.57,44.09) 76.2,44.09 cw(c77.83,44.09) X10.19@76.677,45.243 ; X11.B19@75.829,41.011 ccw(c74.933,41.907) 76.2,41.907 ccw(c77.467,41.907) X11.B19@76.571,41.011 ; X10.19@75.829,45.349 cw(c74.933,44.453) 76.2,44.453 cw(c77.467,44.453) X10.19@76.571,45.349 ; X11.B19@75.935,40.905 ccw(c75.295,41.545) 76.2,41.545 ccw(c77.105,41.545) X11.B19@76.465,40.905 ; X10.19@75.935,45.455 cw(c75.295,44.815) 76.2,44.815 cw(c77.105,44.815) X10.19@76.465,45.455 ; X11.B19@76.2,40.64 X10.19@76.2,45.72
SODIMM_47_S: RA34.2 X1.47 | length 9
  Top Layer w0.15: RA34.2@93.818,58.645 ccw(c93.52,58.944) 93.942,58.944 ccw(c94.364,58.944) RA34.2@94.066,58.645 ; RA34.2@93.942,58.522 93.942,59.296 93.828,59.411 93.828,64.287 94.082,64.542 X1.47@94.082,66.316 ; X1.47@94.011,65.421 cw(c93.841,65.25) 94.082,65.25 cw(c94.323,65.25) X1.47@94.153,65.421
SODIMM_48: RA5.5 X8.A25 X9.25 | length 85
  Top Layer w0.15: RA5.5@85.576,81.916 ccw(c85.277,82.215) 85.7,82.215 ccw(c86.122,82.215) RA5.5@85.823,81.916 ; RA5.5@85.7,81.793 85.7,88.1 90.8,93.2 90.8,130.875 93.98,134.055 X9.25@93.98,139.7 ; X9.25@93.503,139.223 cw(c92.35,138.07) 93.98,138.07 cw(c95.61,138.07) X9.25@94.457,139.223 ; X9.25@93.609,139.329 cw(c92.713,138.433) 93.98,138.433 cw(c95.247,138.433) X9.25@94.351,139.329 ; X9.25@93.715,139.435 cw(c93.075,138.795) 93.98,138.795 cw(c94.885,138.795) X9.25@94.245,139.435
  Bottom Layer w0.15: X9.25@93.503,140.177 ccw(c92.35,141.33) 93.98,141.33 ccw(c95.61,141.33) X9.25@94.457,140.177 ; X8.A25@93.503,144.303 cw(c92.35,143.15) 93.98,143.15 cw(c95.61,143.15) X8.A25@94.457,144.303 ; X9.25@93.609,140.071 ccw(c92.713,140.967) 93.98,140.967 ccw(c95.247,140.967) X9.25@94.351,140.071 ; X8.A25@93.609,144.409 cw(c92.713,143.513) 93.98,143.513 cw(c95.247,143.513) X8.A25@94.351,144.409 ; X9.25@93.715,139.965 ccw(c93.075,140.605) 93.98,140.605 ccw(c94.885,140.605) X9.25@94.245,139.965 ; X8.A25@93.715,144.515 cw(c93.075,143.875) 93.98,143.875 cw(c94.885,143.875) X8.A25@94.245,144.515 ; X9.25@93.98,139.7 X8.A25@93.98,144.78